# Altium PCB PT-PWR-EPS-002_v1.PcbDoc (part 2 of 3) (continued)
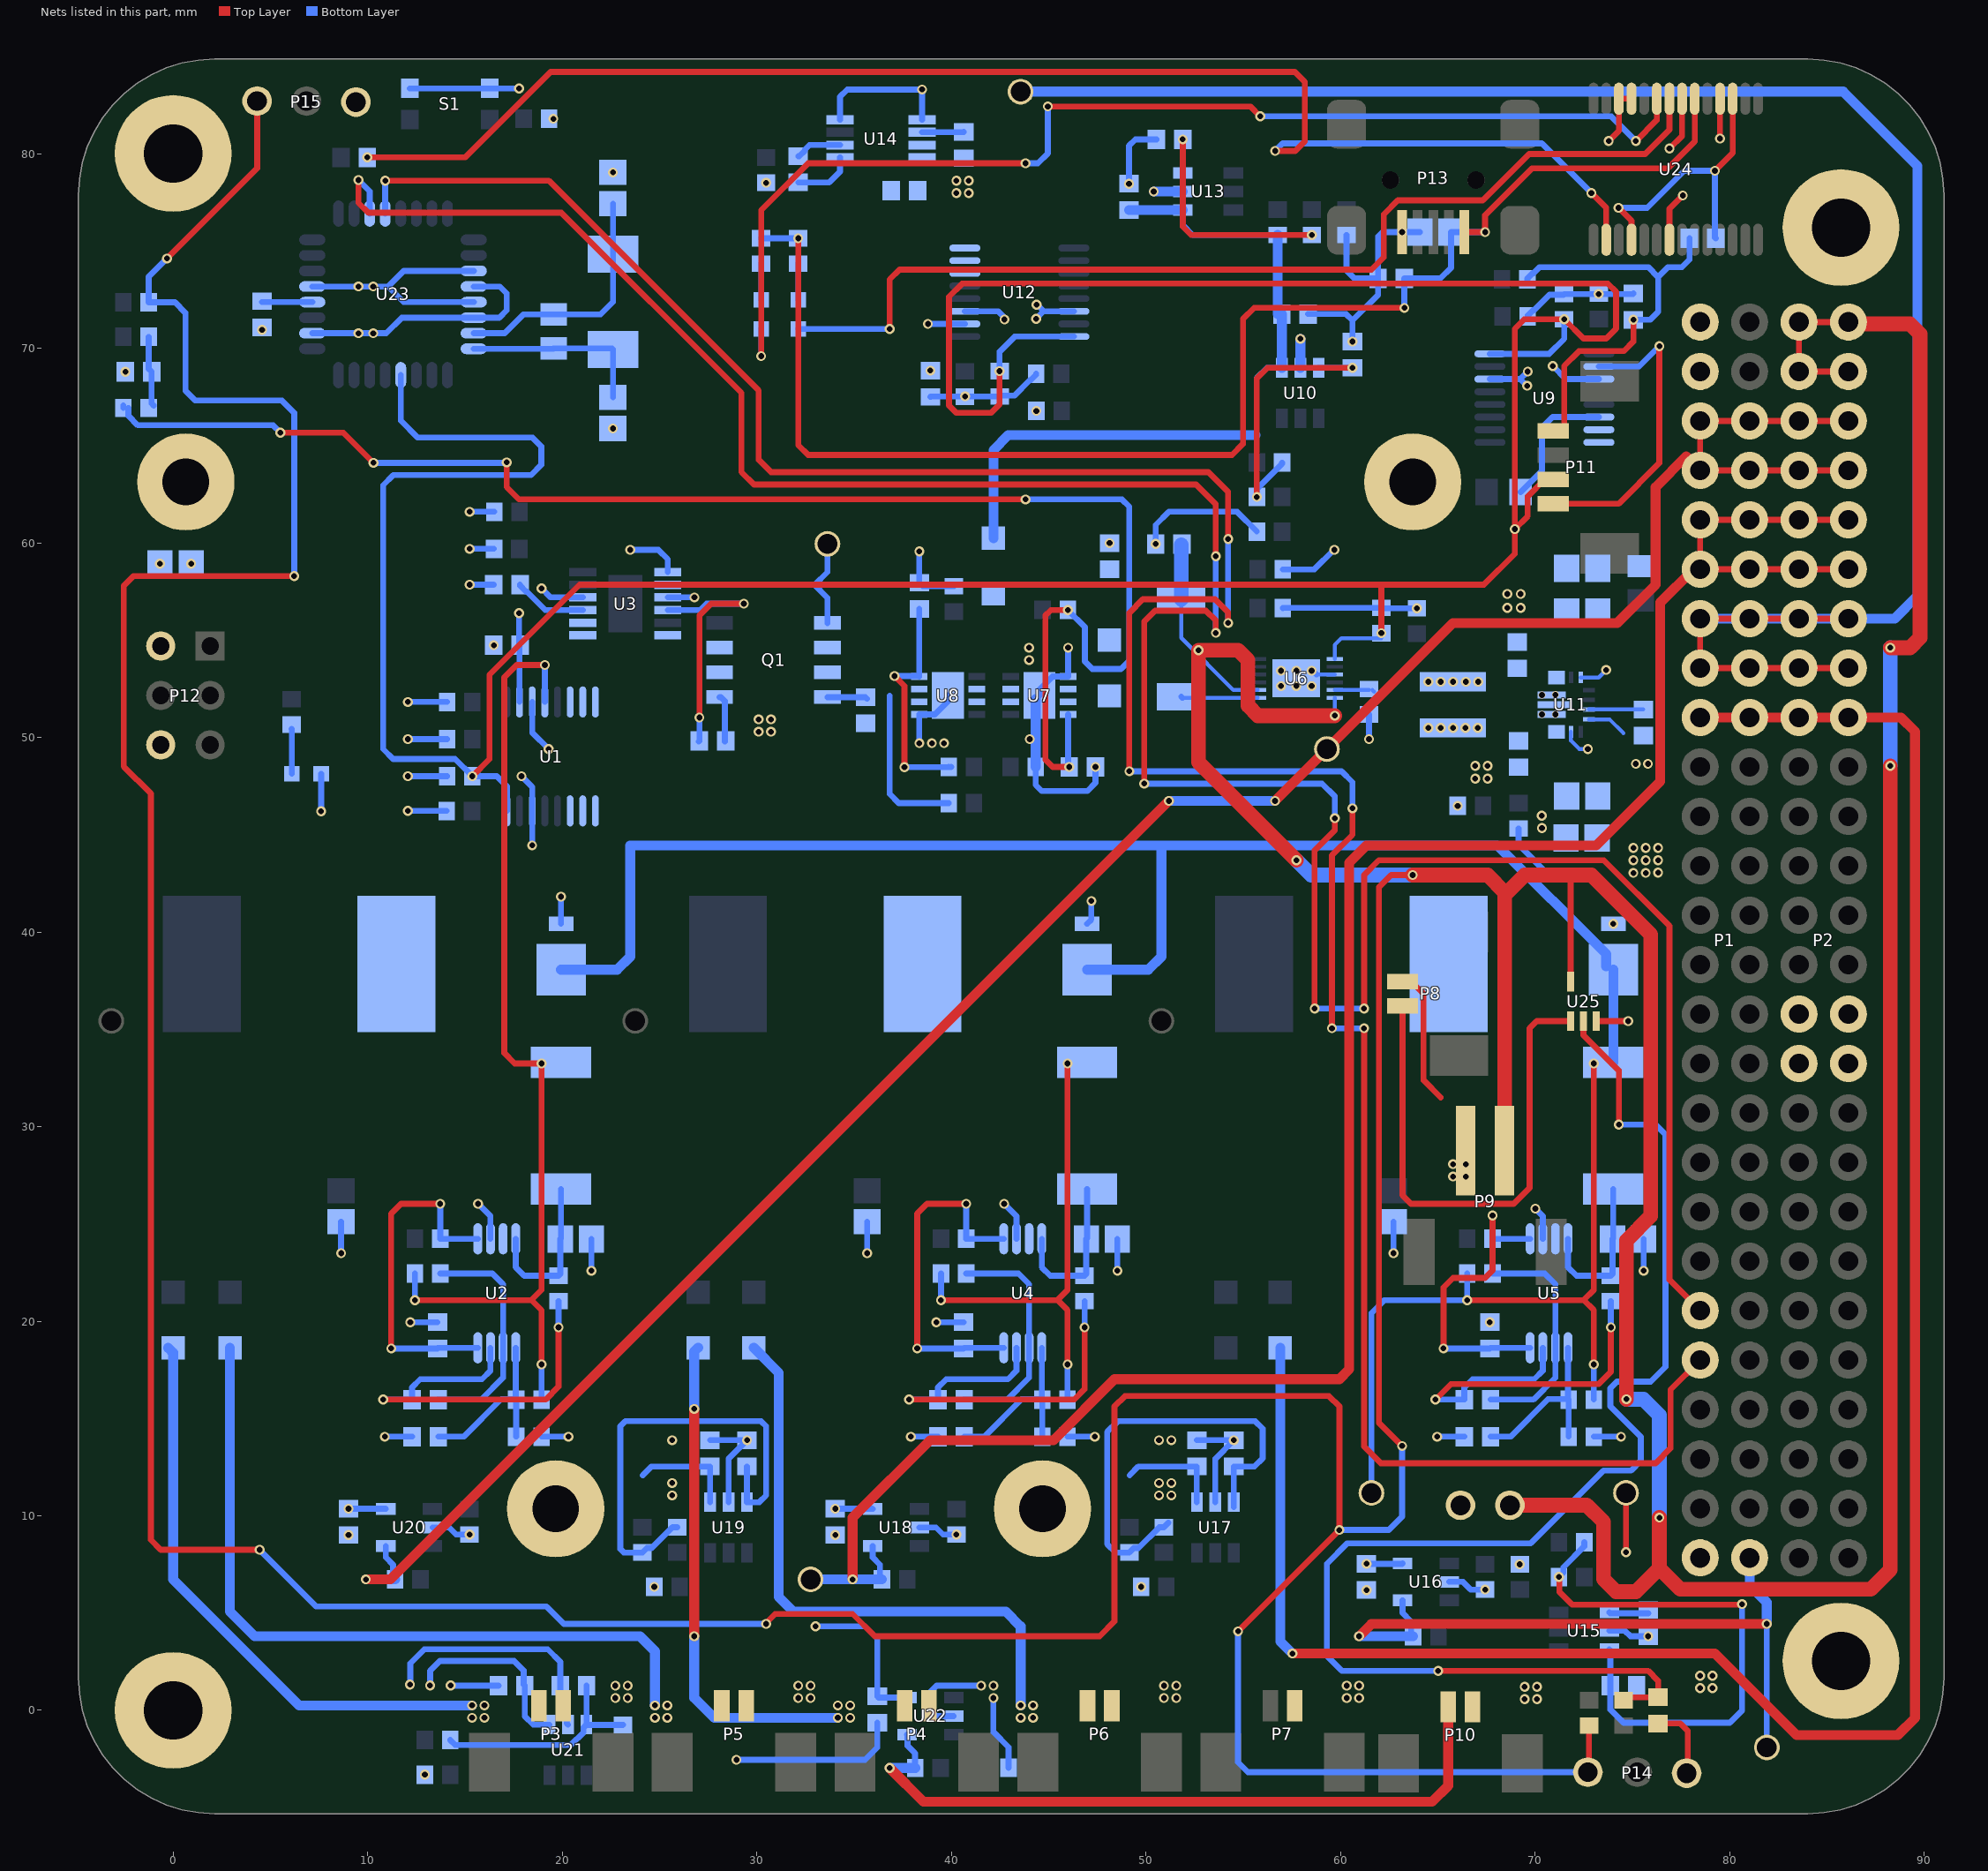
[diagram p4: the nets of this part, all layers, seen from the top]
## Part data (continued)
U25: "IC GATE AND 1CH 2-INP SOT-353", Case/Package=SOT-353, High Level Output Current=4mA, Manufacturer=Diodes, Max Operating Temperature=125°C, Max Supply Voltage=3.6V, Min Operating Temperature=-40°C, Min Supply Voltage=800mV, Package Quantity=3000, Quiescent Current=500nA, Supplier Part Number 1=74AUP1G08SE-7DICT-ND, ComponentLink1Description=https://datasheet.ciiva.com/12255/74aup1g08-219333-12255218.pdf?src-supplier=Mouser, ComponentLink1URL=https://datasheet.ciiva.com/12255/74aup1g08-219333-12255218.pdf?src-supplier=Mouser, ComponentLink2Description=https://datasheet.ciiva.com/15219/getdatasheetpartid-661118-15219698.pdf?src-supplier=Verical, ComponentLink2URL=https://datasheet.ciiva.com/15219/getdatasheetpartid-661118-15219698.pdf?src-supplier=Verical, ComponentLink3Description=https://datasheet.ciiva.com/6620/74aup1g08-6620571.pdf?src-supplier=Digi-Key, ComponentLink3URL=https://datasheet.ciiva.com/6620/74aup1g08-6620571.pdf?src-supplier=Digi-Key, ComponentLink4Description=https://datasheet.ciiva.com/6620/74aup1g08-6620573.pdf?src-supplier=Digi-Key, ComponentLink4URL=https://datasheet.ciiva.com/6620/74aup1g08-6620573.pdf?src-supplier=Digi-Key, ComponentLink5Description=https://datasheet.ciiva.com/6620/74aup1g08-6620575.pdf?src-supplier=Digi-Key, ComponentLink5URL=https://datasheet.ciiva.com/6620/74aup1g08-6620575.pdf?src-supplier=Digi-Key, Contact Plating=Tin, Lead Free="Lead Free", Logic Function=AND, Low Level Output Current=4mA, Manufacturer Part Number=74AUP1G08SE-7, Mount="Surface Mount", Number of Circuits=1, Number of Elements=1, Number of Inputs=2, Number of Outputs=1, Number of Pins=5, Packaging="Tape and Reel", Pricing 1="1 = 0.43000, 10 = 0.37100, 100 = 0.27690, 500 = 0.21754, 1000 = 0.16810 (USD)", Propagation Delay=6.2ns, Radiation Hardening=No, REACH SVHC="No SVHC", RoHS=Yes, Stock 1=896, Supplier 1=Digi-Key
Y1: "CRYSTAL 8.0000MHZ 18PF SMD", Case/Package=CSMD, ESR (Equivalent Series Resistance)=100R, Frequency=8MHz, Frequency Stability=30ppm, Frequency Tolerance=20ppm, Load Capacitance=18pF, Manufacturer=Abracon, Manufacturer Part Number=ABM7-8.000MHZ-D2Y-T, Max Operating Temperature=85°C, Min Operating Temperature=-40°C, Package Quantity=1000, Series Resistance=80R, Supplier Part Number 1=535-9831-6-ND, Composition=Ceramic, Depth=3.5mm, Height=0.055inch, Lead Free="Lead Free", Length=6mm, Mount="Surface Mount", Number of Pins=2, Packaging="Tape and Reel", Pricing 1="1=0.72, 10=0.633, 50=0.5912, 100=0.5225, 500=0.495 (USD)", Radiation Hardening=No, REACH SVHC=Yes, Stock 1=151370, Supplier 1=Digi-Key, Termination=SMD/SMT, Tolerance=20ppm, Width=0.138inch

## Free pads (board coordinates)
  round 6 hole 3: 1(0,80.01) 1(0,0) 1(85.725,76.2) 1(85.725,2.54)
  round 5 hole 2.4: 1(0.655,63.13) 1(19.665,10.36) 1(44.685,10.36) 1(63.715,63.13)

## Via types
v1: diameter 0.508, hole 0.3, Top Layer to Bottom Layer, tented both sides, 379 vias
v2: diameter 0.35, hole 0.3, Top Layer to Bottom Layer, tented both sides, 4 vias

## Nets (pads, with @x,y where several pads share a name; then routed paths per layer and width w, separated by ;. In a path a pad name is that pad's centre, name@x,y a point inside that pad or via, vN(x,y) a via of type N, cw(c..) or ccw(c..) an arc to the next point about the centre after c; other vN are vias at no path point)
3V3_EPS: C1.1 C25.1 C31.2 C32.2 C33.2 C35.1 C41.2 C42.2 C44.2 C45.2 C47.2 C48.2 C50.2 C51.2 C53.2 P1.51 P11.1 P12.2 R1.2 R2.2 R25.2 R26.2 R27.2 R36.2 R37.2 R38.2 R45.2 R47.2 R48.2 R49.2 R75.2 TB1.1 U1.10 U9.10 U11.7 U11.8 U12.10 U15.1 U16.5 U17.1 U18.5 U19.1 U20.5 U21.1 U22.5 U23.4 U23.6 U23.18 | length 103
  Top Layer w0.305: P11.1@70.94,62.006 74.298,62.006 76.393,64.101 v1(76.393,70.104) ; v1(74.676,8.128) TB1.1@74.676,11.176
  Bottom Layer w0.305: U23.18@7.153,70.771 v1(9.525,70.771) v1(10.287,70.771) 10.954,70.771 11.754,71.571 U23.6@15.453,71.571 16.764,71.571 17.145,71.952 17.145,72.811 16.785,73.171 U23.4@15.453,73.171 ; v1(9.016,10.363) 10.919,10.363 U20.5@10.934,10.348 ; v1(12.065,48.006) R1.2@14.082,48.006 ; v1@12.065,51.816 v1(12.071,51.822) R2.2@14.082,51.822 ; v1@13.194,1.27 v1(13.208,1.284) 13.208,2.032 13.716,2.54 17.526,2.54 18.017,2.049 18.017,1.327 C50.2@18.074,1.27 18.074,-0.294 18.512,-0.732 U21.1@19.345,-0.732 ; v1(17.78,56.388) 17.78,54.788 C1.1@17.831,54.737 17.806,54.712 U1.10@17.806,51.822 ; 24.144,12.08 24.597,12.533 C47.2@27.599,12.533 U19.1@27.599,10.698 ; v1(33.02,4.318) 35.306,4.318 ; v1(34.036,10.363) 35.939,10.363 U18.5@35.954,10.348 ; 35.307,4.319 35.559,4.319 36.195,3.683 C51.2@36.195,0.721 36.26,0.656 U22.5@37.724,0.656 ; v1(38.797,71.249) U12.10@40.696,71.249 ; C35.1@38.924,67.5 38.949,67.525 v1(40.711,67.525) R48.2@42.48,67.525 42.517,67.562 43.234,67.562 44.032,68.36 44.082,68.36 44.355,68.633 R47.2@44.355,68.683 ; 49.164,12.08 49.617,12.533 C44.2@52.619,12.533 U17.1@52.619,10.698 ; R25.2@57.038,56.642 57.053,56.657 62.088,56.657 62.114,56.631 v1(63.929,56.631) ; v1(61.341,7.533) 63.168,7.533 U16.5@63.189,7.554 ; R45.2@69.151,45.324 69.151,44.487 70.84,42.799 72.771,42.799 ; R36.2@69.626,71.628 69.626,71.678 69.899,71.951 69.949,71.951 70.747,72.749 71.464,72.749 R37.2@71.501,72.786 v1(73.27,72.786) 75.032,72.786 C25.1@75.057,72.811 ; U9.10@73.285,69.062 75.351,69.062 v1(76.393,70.104) ; U15.1@73.817,5.039 73.863,4.993 C41.2@75.819,4.993
  other v1: 25.653,11.049 50.673,11.049 51.308,11.049 25.653,11.684 50.673,11.684 51.308,11.684 75.057,43.037 75.692,43.037 76.327,43.053 75.057,43.688 75.692,43.688 76.327,43.688 75.057,44.323 75.692,44.323 76.327,44.323 -0.673,58.928 19.544,81.788
4V2_MPB: C8.2 C26.2 C36.2 D11.2 Q1.D R29.2 R50.1 TP3.1 U3.8 U8.2 U8.3 U10.1 U13.1 | length 57.8
  Bottom Layer w0.305: U3.8@25.425,57.846 32.959,57.846 ; Q1.D@33.631,52.07 C8.2@35.585,52.07 C8.2@35.672,51.983 ; Q1.D@33.631,55.88 33.631,57.174 32.959,57.846 ; TP3.1@33.631,59.944 33.631,58.496 32.981,57.846 32.959,57.846 ; 36.83,52.133 36.828,52.131 36.828,47.094 37.298,46.624 R29.2@39.863,46.624 ; U13.1@51.895,77.104 51.895,76.335 52.411,75.819 R50.1@56.769,75.819 ; 55.703,68.478 56.219,68.994 U10.1@56.988,68.994
  Bottom Layer w0.508: D11.2@42.164,60.231 42.164,64.77 42.926,65.532 55.626,65.532 ; C36.2@49.134,77.104 U13.1@51.895,77.104 ; C26.2@56.769,71.755 R50.1@56.769,75.819 ; U10.1@56.988,68.994 C26.2@56.988,71.755
4V2_MPPT: C7.2 C10.2 Q1.S U1.14 U1.15 U1.16 U3.1 U3.2 U3.3 U3.12 | length 6.2
  Bottom Layer w0.305: C10.2@17.831,57.846 17.831,57.796 18.129,57.498 18.179,57.498 19.131,56.545 U3.3@21.056,56.545 ; Q1.S@28.091,52.07 28.158,52.07 28.361,51.867 C7.2@28.361,49.784
4V2_X: D7.K D8.K D9.K R3.2 R6.2 R7.2 R11.2 R14.2 R15.2 R19.2 R22.2 R23.2 TP2.1 U1.1 U1.2 U1.3 U1.12 | length 192.6
  Top Layer w0.305: v1(12.431,21.082) 18.415,21.082 ; v1(18.938,17.78) 18.938,20.559 18.415,21.082 ; v1(19.106,53.721) 17.653,53.721 17.018,53.086 17.018,33.782 17.557,33.243 v1(18.938,33.243) 18.938,21.605 18.415,21.082 ; v1(39.467,21.082) 45.451,21.082 ; v1(45.974,17.78) 45.974,20.559 45.451,21.082 ; v1(45.974,33.243) 45.974,21.605 45.451,21.082 ; v1(66.518,21.082) 72.502,21.082 ; v1(73.025,17.78) 73.025,20.559 72.502,21.082 ; v1(73.025,33.243) 73.025,21.605 72.502,21.082
  Bottom Layer w0.305: v1(12.431,21.082) R7.2@12.431,22.448 ; R6.2@18.938,15.971 v1(18.938,17.78) ; U1.12@19.106,51.822 v1(19.106,53.721) ; v1(39.467,21.082) R15.2@39.467,22.448 ; R14.2@45.974,15.971 v1(45.974,17.78) ; TP2.1@61.595,11.176 61.595,20.416 62.261,21.082 v1(66.518,21.082) R23.2@66.518,22.448 ; R22.2@73.025,15.971 v1(73.025,17.78)
  Bottom Layer w0.508: D7.K@19.939,38.066 22.826,38.066 23.495,38.735 23.495,44.45 50.8,44.45 ; D8.K@46.975,38.066 50.131,38.066 50.8,38.735 50.8,44.45 ; D9.K@73.66,38.227 73.66,38.862 68.072,44.45 50.8,44.45 ; R19.2@74.026,33.297 D9.K@74.026,38.066
5V_USB: C56.1 C57.2 P13.1 R76.2 R77.2 U24.20 | length 75
  Top Layer w0.305: v1(32.131,75.647) 32.131,65.024 32.639,64.516 54.429,64.516 54.991,65.078 54.991,71.501 55.562,72.072 v1(63.286,72.072) ; P13.1@66.37,75.968 v1(67.437,75.968) 67.437,76.835 69.85,79.248 76.835,79.248 78.21,80.623 U24.20@78.21,82.821
  Bottom Layer w0.305: R76.2@30.226,75.647 v1(32.131,75.647) ; v1(63.286,72.072) C56.1@63.286,73.583 65.132,73.583 65.682,74.133 C57.2@65.682,75.968 v1(67.437,75.968)
DTR: C55.1 U24.2 | length 75.2
  Top Layer w0.305: v1(9.978,79.807) 15.008,79.807 19.402,84.201 57.658,84.201 58.166,83.693 58.166,80.623 57.68,80.137 v1(56.642,80.137) ; v1(72.898,77.978) 73.66,77.216 U24.2@73.66,75.571
  Bottom Layer w0.305: v1(56.642,80.137) 57.029,80.524 70.352,80.524 v1(72.898,77.978)
GND: C1.2 C2.2 C4.1 C5.1 C6.1 C8.1 C9.2 C10.1 C12.1 C13.1 C14.1 C15.2 C17.1 C18.1 C19.1 C20.1 C21.1 C22.1 C23.1 C24.1 C25.2 C26.1 C27.1 C28.1 C29.1 C30.1 C31.1 C32.1 C33.1 C34.1 C35.2 C36.1 C37.1 C38.1 C39.1 C41.1 C42.1 C43.1 C44.1 C45.1 C46.1 C47.1 C48.1 C49.1 C50.1 C51.1 C52.1 C53.1 C54.1 C56.2 C57.1 C58.2 C59.2 C60.2 C61.1 C62.1 D7.A D8.A D9.A D14.2 P2.29 P2.30 P2.31 P2.32 P3.2 P4.2 P5.2 P6.2 P7.2 P8.2 P9.2 P10.2 P11.4 P12.6 P13.5 P14.3 P15.3 P16.2 pad.1 R8.1 R9.1 R10.1 R16.1 R17.1 R18.1 R24.1 R30.1 R31.1 R32.1 R40.1 R41.1 R46.1 R52.1 R53.1 R54.1 R57.1 R58.1 R62.1 R63.1 R67.1 R68.1 R72.1 R73.1 S1.2 U1.6 U1.11 U2.2 U3.4 U3.7 U3.9 U4.2 U5.2 U6.3 U6.13 U7.1 U7.9 U8.1 U8.9 U9.6 U9.11 U10.2 U11.4 U11.6 U11.10 U11.15 U12.6 U12.11 U13.2 U14.1 U14.4 U14.8 U15.2 U16.2 U17.2 U18.2 U19.2 U20.2 U21.2 U22.2 U23.3 U23.5 U23.21 U24.7 U24.18 U24.21 U24.25 U24.26 U25.3 | length 244
  Top Layer w0.305: P8.2@63.193,37.455 63.441,37.207 63.885,37.207 64.272,36.82 64.272,32.375 65.151,31.496 ; P11.4@70.94,65.756 71.501,65.756 71.501,69.088 72.263,69.85 74.563,69.85 75.057,70.344 v1(75.057,71.461) ; U25.3@73.152,35.423 v1(74.793,35.423) ; v1(73.787,80.645) 74.31,81.168 U24.26@74.31,82.821 U24.25@74.96,82.821 ; C61.1@76.327,-0.675 77.47,-0.675 77.856,-1.061 P14.3@77.856,-3.125 ; U24.7@76.91,75.571 76.91,77.164 v1(77.597,77.851) ; v1(76.91,80.264) 77.56,80.914 U24.21@77.56,82.821 ; v1(79.51,80.772) U24.18@79.51,82.821
  Bottom Layer w0.203: U6.13@58.77,53.232 U6.3@59.715,53.232 ; U11.6@71.851,50.281 71.851,49.836 72.284,49.403 v1(72.716,49.403) ; U11.15@72.351,53.081 73.274,53.081 v1(73.66,53.467) ; U11.4@72.776,50.931 73.831,50.931 74.549,50.213
  Bottom Layer w0.305: U23.21@7.153,73.171 v1(9.525,73.171) v1(10.287,73.171) 11.054,73.171 ; v1(7.608,46.207) D14.2@7.608,48.133 ; v1(8.636,23.495) C4.1@8.636,25.108 ; v1(10.882,14.066) C6.1@12.279,14.066 ; v1(12.065,46.222) R9.1@14.067,46.222 ; v1(12.065,49.911) R8.1@14.082,49.911 ; v1(12.174,1.327) 12.192,1.345 12.192,2.413 12.918,3.139 19.254,3.139 19.898,2.495 C52.1@19.898,1.27 19.901,1.267 19.901,0.381 20.236,0.046 20.236,-0.673 U21.2@20.295,-0.732 ; S1.2@12.174,83.35 v1(17.78,83.35) ; v1(12.192,19.948) C5.1@13.589,19.948 ; U20.2@13.334,9.398 14.193,9.398 14.553,9.038 v1(15.239,9.038) ; v1(14.269,1.284) 14.283,1.27 C50.1@16.724,1.27 ; v1(15.24,57.846) C10.1@16.481,57.846 ; v1(15.24,59.69) R17.1@16.495,59.69 ; v1(15.24,61.595) R16.1@16.506,61.595 ; U23.5@15.453,72.371 11.854,72.371 11.054,73.171 ; U23.3@15.453,73.971 11.854,73.971 11.054,73.171 ; v1(15.677,26.035) 16.312,25.4 U2.2@16.312,24.232 ; v1(17.907,48.006) 18.456,47.457 U1.6@18.456,46.222 v1(18.456,44.45) ; U1.11@18.456,51.822 18.456,50.251 v1(19.304,49.403) ; R10.1@18.938,14.066 v1(20.32,14.066) ; v1(18.938,57.658) 19.4,57.196 U3.4@21.056,57.196 ; D7.A@19.939,40.421 v1(19.939,41.818) ; v1@21.463,22.551 v1(21.501,22.589) C2.2@21.501,24.226 ; C60.2@22.555,65.824 v1(22.606,65.875) ; v1(23.495,59.64) 24.942,59.64 25.425,59.157 U3.7@25.425,58.496 ; U3.9@25.425,57.196 v1(26.797,57.196) ; C47.1@27.599,13.883 v1(29.499,13.883) 28.549,12.933 U19.2@28.549,10.698 ; v1(28.956,-2.54) 35.56,-2.54 36.195,-1.905 C51.1@36.195,-0.629 ; U14.8@34.279,81.737 34.279,82.92 34.653,83.294 v1(38.495,83.294) U14.1@38.495,81.737 ; v1(35.672,23.495) C12.1@35.672,25.108 ; v1(37.918,14.066) C14.1@39.315,14.066 ; U18.2@38.354,9.398 39.213,9.398 39.573,9.038 v1(40.259,9.038) ; v1(38.354,49.702) U8.1@38.354,51.181 39.156,51.181 39.829,51.854 U8.9@39.829,52.156 ; v1(38.354,59.563) C24.1@38.354,57.952 38.539,57.767 R32.1@40.132,57.767 ; C35.2@38.9,68.874 v1(38.924,68.85) ; v1(39.228,19.948) C13.1@40.625,19.948 ; U22.2@40.124,-0.294 39.219,-0.294 38.862,0.063 38.862,0.889 39.243,1.27 v1(41.529,1.27) ; U12.11@40.696,71.899 42.394,71.899 42.734,71.559 v1(42.734,71.477) ; v1(42.164,0.635) 42.164,-1.117 42.941,-1.894 R73.1@42.941,-2.946 ; v1(42.713,26.035) 43.348,25.4 U4.2@43.348,24.232 ; R31.1@44.338,48.483 44.338,47.561 44.655,47.244 46.99,47.244 47.411,47.665 v1(47.411,48.483) ; U7.9@44.338,51.966 U7.9@44.528,52.156 44.528,52.458 45.201,53.131 U7.1@46.003,53.131 v1(46.003,54.61) ; v1(44.355,71.508) 44.746,71.899 ; v1(44.385,72.239) 44.406,72.239 44.746,71.899 ; R18.1@45.974,14.066 v1(47.371,14.066) ; U12.6@46.296,71.899 44.746,71.899 ; D8.A@46.975,40.421 47.2,40.645 v1(47.2,41.593) ; v1@48.499,22.551 v1(48.537,22.589) C9.2@48.537,24.226 ; v1(49.134,78.454) 49.134,80.406 49.461,80.733 C37.1@50.545,80.733 ; C22.1@50.426,59.984 50.466,59.944 v1(50.506,59.944) 50.506,60.92 51.181,61.595 54.687,61.595 R40.1@55.703,60.579 ; C44.1@52.619,13.883 v1(54.519,13.883) 53.569,12.933 U17.2@53.569,10.698 ; R30.1@57.038,58.634 58.659,58.634 59.665,59.64 v1(59.69,59.64) ; C26.1@58.338,71.755 60.29,71.755 60.617,71.428 ; U6.13@58.521,53.426 58.576,53.426 U6.13@58.77,53.232 ; R52.1@60.31,75.819 60.31,73.986 60.713,73.583 C56.2@61.936,73.583 ; v1(60.617,70.344) 60.617,71.428 ; v1(61.468,49.911) C20.1@61.468,51.181 ; v1(62.723,23.495) C17.1@62.723,25.108 ; C57.1@64.082,75.968 v1(63.17,75.968) 62.158,75.968 61.936,75.746 C56.2@61.936,73.583 ; v1(64.969,14.066) C19.1@66.366,14.066 ; U16.2@65.589,6.604 66.294,6.604 66.69,6.208 v1(67.437,6.208) ; U9.6@67.685,68.412 69.235,68.412 ; v1(69.596,68.072) 69.575,68.072 69.235,68.412 ; R41.1@69.611,73.533 69.611,73.583 69.884,73.856 69.934,73.856 70.246,74.168 75.819,74.168 76.327,73.66 ; v1(69.626,68.803) 69.235,68.412 ; v1(70.018,25.781) 70.399,25.4 U5.2@70.399,24.232 ; v1(70.911,69.088) 71.587,68.412 U9.11@73.285,68.412 ; R24.1@73.025,14.066 v1(74.422,14.066) ; U15.2@73.817,4.089 74.628,4.089 74.907,3.81 v1(75.819,3.81) ; v1(75.057,71.461) 75.92,71.461 76.327,71.868 76.327,73.66 ; v1@75.55,22.551 v1(75.588,22.589) C15.2@75.588,24.226 ; C59.2@77.938,75.647 77.938,74.549 77.557,74.168 76.835,74.168 76.327,73.66 ; 60.617,71.428 61.936,72.747 C56.2@61.936,73.583
  Bottom Layer w0.508: R31.1@44.338,48.483 U7.9@44.338,51.966 ; v1(50.404,78.054) U13.2@51.895,78.054 ; U10.2@57.938,68.994 v1(57.938,70.485)
  other v1: 12.939,-3.302 69.469,0.582 70.104,0.582 22.733,0.635 23.368,0.635 32.131,0.635 32.766,0.635 50.927,0.635 51.562,0.635 60.325,0.635 60.96,0.635 78.486,1.143 79.121,1.143 69.469,1.217 70.104,1.217 22.733,1.27 23.368,1.27 32.131,1.27 32.766,1.27 42.164,1.27 50.927,1.27 51.562,1.27 60.325,1.27 60.96,1.27 78.486,1.778 79.121,1.778 61.341,6.183 24.734,6.35 49.754,6.35 69.215,7.508 9.016,9.013 34.036,9.013 25.653,13.883 50.673,13.883 51.308,13.883 67.676,19.948 65.786,27.432 66.448,27.432 65.786,28.067 66.448,28.067 74.026,40.421 70.358,45.339 70.35,45.974 66.025,46.482 66.929,47.879 67.564,47.879 66.929,48.541 67.564,48.541 75.184,48.641 75.804,48.641 38.999,49.702 39.624,49.702 44.032,49.911 30.099,50.292 30.734,50.292 30.099,50.927 30.734,50.927 43.998,53.975 43.998,54.61 16.481,54.737 68.58,56.657 69.263,56.657 68.58,57.371 69.263,57.371 0.927,58.928 48.133,59.984 44.37,66.778 -2.453,68.789 4.572,70.941 40.259,77.978 40.894,77.978 30.48,78.504 40.259,78.613 40.894,78.613 22.606,79.032
NetC2_1: C2.1 R3.1 R5.2 U2.4 | length 8.4
  Bottom Layer w0.305: U2.4@17.612,24.232 17.612,22.774 18.05,22.336 R5.2@19.812,22.336 19.901,22.425 C2.1@19.901,24.226 19.939,24.264 R3.1@19.939,26.797
NetC3_1: C3.1 R7.1 U2.6 | length 12.1
  Bottom Layer w0.305: C3.1@13.629,15.971 15.831,15.971 16.962,17.102 U2.6@16.962,18.632 16.962,21.9 16.414,22.448 R7.1@13.731,22.448
NetC3_2: C3.2 R5.1 U2.7 | length 21.4
  Top Layer w0.305: v1(10.795,15.971) 19.146,15.971 19.812,16.637 v1(19.812,19.685)
  Bottom Layer w0.305: v1(10.795,15.971) C3.2@12.279,15.971 12.279,16.597 12.7,17.018 15.875,17.018 16.312,17.455 U2.7@16.312,18.632 ; v1(19.812,19.685) R5.1@19.812,21.036
NetC5_2: C5.2 R4.2 U2.1 U2.8 | length 17.9
  Top Layer w0.305: v1(11.21,18.598) 11.21,25.527 11.718,26.035 v1(13.731,26.035)
  Bottom Layer w0.305: v1(11.21,18.598) C5.2@13.589,18.598 13.623,18.632 U2.8@15.662,18.632 ; v1(13.731,26.035) R4.2@13.731,24.232 U2.1@15.662,24.232
NetC6_2: C6.2 R6.1 R10.2 U2.5 | length 9.4
  Bottom Layer w0.305: C6.2@13.629,14.066 14.94,14.066 16.871,15.997 R6.1@17.612,15.997 ; U2.5@17.612,18.632 R6.1@17.612,15.997 ; R10.2@17.638,14.066 R6.1@17.638,15.971 R6.1@17.612,15.997
NetC7_1: C7.1 U3.10 | length 13.1
  Top Layer w0.305: v1@27.011,51.038 27.026,51.023 v1(27.051,51.023) 27.051,56.261 27.661,56.871 v1(29.337,56.871)
  Bottom Layer w0.305: U3.10@25.425,56.545 27.093,56.545 27.418,56.871 v1(29.337,56.871) ; C7.1@27.011,49.784 C7.1@27.051,49.824 v1(27.051,51.023)
NetC9_1: C9.1 R11.1 R13.2 U4.4 | length 8.4
  Bottom Layer w0.305: U4.4@44.648,24.232 44.648,22.774 45.086,22.336 R13.2@46.848,22.336 46.937,22.425 C9.1@46.937,24.226 46.975,24.264 R11.1@46.975,26.797
NetC11_1: C11.1 R15.1 U4.6 | length 12.1
  Bottom Layer w0.305: C11.1@40.665,15.971 42.867,15.971 43.998,17.102 U4.6@43.998,18.632 43.998,21.9 43.45,22.448 R15.1@40.767,22.448
NetC11_2: C11.2 R13.1 U4.7 | length 21.4
  Top Layer w0.305: v1(37.831,15.971) 46.309,15.971 46.848,16.51 v1(46.848,19.685)
  Bottom Layer w0.305: v1(37.831,15.971) C11.2@39.315,15.971 39.315,16.597 39.736,17.018 42.911,17.018 43.348,17.455 U4.7@43.348,18.632 ; v1(46.848,19.685) R13.1@46.848,21.036
NetC13_2: C13.2 R12.2 U4.1 U4.8 | length 17.9
  Top Layer w0.305: v1(38.246,18.598) 38.246,25.527 38.754,26.035 v1(40.767,26.035)
  Bottom Layer w0.305: v1(38.246,18.598) C13.2@40.625,18.598 40.659,18.632 U4.8@42.698,18.632 ; v1(40.767,26.035) R12.2@40.767,24.232 U4.1@42.698,24.232
NetC14_2: C14.2 R14.1 R18.2 U4.5 | length 9.4
  Bottom Layer w0.305: C14.2@40.665,14.066 41.693,14.066 43.624,15.997 R14.1@44.648,15.997 ; U4.5@44.648,18.632 R14.1@44.648,15.997 ; R18.2@44.674,14.066 R14.1@44.674,15.971 R14.1@44.648,15.997
NetC15_1: C15.1 R19.1 R21.2 U5.4 | length 8.4
  Bottom Layer w0.305: U5.4@71.699,24.232 71.699,22.774 72.137,22.336 R21.2@73.899,22.336 73.988,22.425 C15.1@73.988,24.226 74.026,24.264 R19.1@74.026,26.797
NetC16_1: C16.1 R23.1 U5.6 | length 12.1
  Bottom Layer w0.305: C16.1@67.716,15.971 69.918,15.971 71.049,17.102 U5.6@71.049,18.632 71.049,21.9 70.501,22.448 R23.1@67.818,22.448
NetC16_2: C16.2 R21.1 U5.7 | length 20.9
  Top Layer w0.305: v1(64.882,15.971) 65.675,16.764 73.268,16.764 73.899,17.395 v1(73.899,19.685)
  Bottom Layer w0.305: v1(64.882,15.971) C16.2@66.366,15.971 66.366,16.597 66.787,17.018 69.962,17.018 70.399,17.455 U5.7@70.399,18.632 ; v1(73.899,19.685) R21.1@73.899,21.036
NetC18_2: C18.2 R20.2 U5.1 U5.8 | length 16.4
  Top Layer w0.305: v1(65.297,18.598) 65.297,21.736 65.786,22.225 67.437,22.225 67.818,22.606 v1(67.818,25.428)
  Bottom Layer w0.305: v1(65.297,18.598) C18.2@67.676,18.598 67.71,18.632 U5.8@69.749,18.632 ; v1(67.818,25.428) R20.2@67.818,24.232 U5.1@69.749,24.232
NetC19_2: C19.2 R22.1 R24.2 U5.5 | length 9.4
  Bottom Layer w0.305: C19.2@67.716,14.066 68.744,14.066 70.675,15.997 R22.1@71.699,15.997 ; U5.5@71.699,18.632 R22.1@71.699,15.997 ; R24.2@71.725,14.066 R22.1@71.725,15.971 R22.1@71.699,15.997
NetC20_2: C20.2 U6.5 | length 1.9
  Bottom Layer w0.203: U6.5@59.715,52.432 C20.2@61.468,52.432 ; C20.2@61.644,52.432 C20.2@61.722,52.354
NetC21_2: C21.2 D10.1 D11.1 U7.6 U7.7 U8.6 U8.7
NetC22_2: C22.2 P2.1 P2.2 P2.3 P2.4 P9.1 P14.1 P15.1 P16.1 R28.2 R80.2 R82.2 U6.6 U6.8 U25.5 | length 453.9
  Top Layer w0.305: v1(-0.318,74.612) 4.318,79.248 P15.1@4.318,82.702 ; v1(4.445,8.255) -0.635,8.255 -1.143,8.763 -1.143,47.117 -2.54,48.514 -2.54,57.785 -2.032,58.293 v1(6.223,58.293) ; v1@30.46,4.465 30.948,4.953 34.925,4.953 36.068,3.81 47.625,3.81 48.387,4.572 48.387,15.621 48.92,16.154 59.411,16.154 59.944,15.621 v1(59.944,9.271) v1(54.737,4.064) ; v1(63.17,13.589) 61.976,14.783 61.976,42.291 62.611,42.926 v1(63.715,42.926) ; 71.755,42.926 71.831,42.85 U25.5@71.831,37.455 ; P14.1@72.716,-3.175 72.776,-3.115 R80.2@72.776,-0.777 ; P2.4@86.112,68.803 P2.3@83.572,68.803 P2.1@83.572,71.343 P2.2@86.112,71.343
  Top Layer w0.762: v1(57.734,43.688) 52.705,48.717 v1(52.705,54.483) 54.737,54.483 55.245,53.975 55.245,51.625 55.753,51.117 v1(59.715,51.117) ; v1(63.715,42.926) 67.564,42.926 68.437,42.053 68.437,41.894 ; P9.1@68.437,28.762 68.437,41.894 ; P16.1@68.707,10.541 72.659,10.541 73.522,9.678 73.522,6.742 74.168,6.096 75.19,6.096 76.393,7.3 ; v1(74.701,15.992) 74.701,24.155 75.946,25.4 75.946,39.878 72.898,42.926 71.755,42.926 69.469,42.926 68.437,41.894 ; v1(76.393,9.906) 76.393,7.3 ; P2.2@86.614,71.249 89.279,71.249 89.789,70.739 89.789,55.118 89.281,54.61 v1(88.265,54.61) ; v1(88.265,48.541) 88.265,7.239 87.249,6.223 77.47,6.223 76.393,7.3
  Bottom Layer w0.203: R28.2@51.816,57.095 51.816,55.118 54.502,52.432 U6.8@55.753,52.432 ; v1(59.715,51.117) U6.6@59.715,52.032
  Bottom Layer w0.305: v1(-0.318,74.612) -1.255,73.675 R82.2@-1.255,72.357 0.096,72.357 0.635,71.819 0.635,67.818 1.143,67.31 5.588,67.31 6.223,66.675 v1(6.223,58.293) ; v1(4.445,8.255) 7.366,5.334 19.192,5.334 20.081,4.445 v1(30.48,4.445) ; C22.2@51.816,59.904 C22.2@51.856,59.944 ; v1(54.737,4.064) 54.737,-2.667 55.245,-3.175 P14.1@72.716,-3.175 ; v1(59.944,9.271) 62.484,9.271 63.17,9.957 v1(63.17,13.589)
  Bottom Layer w0.762: R28.2@51.816,57.095 C22.2@51.816,59.904 ; v1(57.734,43.688) 58.496,42.926 v1(63.715,42.926) ; v1(74.701,15.992) 75.575,15.992 76.393,15.174 v1(76.393,9.906) ; v1(88.265,48.541) v1(88.265,54.61)
NetC23_2: C23.2 R33.1 R35.2 U7.4 | length 81
  Top Layer w0.305: v1(5.517,65.659) 8.748,65.659 v1(10.297,64.11) ; v1(17.145,64.135) 17.145,62.865 17.78,62.23 v1(43.815,62.23) ; v1(45.989,56.545) 45.115,56.545 44.831,56.261 44.831,48.864 45.212,48.483 v1(46.061,48.483)
  Bottom Layer w0.305: R35.2@-2.555,66.929 R35.2@-2.555,67.056 ; R35.2@-2.301,66.929 -2.301,66.525 -1.816,66.04 5.136,66.04 v1(5.517,65.659) ; v1(10.297,64.11) 17.12,64.11 v1(17.145,64.135) ; v1(43.815,62.23) 48.768,62.23 49.149,61.849 49.149,53.953 48.716,53.52 47.244,53.52 46.863,53.901 46.863,55.671 v1(45.989,56.545) ; U7.4@46.003,51.181 46.003,48.541 v1(46.061,48.483)
NetC24_2: C24.2 R34.1 U8.4 | length 12.1
  Top Layer w0.305: v1(37.084,53.154) 37.592,52.646 v1(37.592,48.468)
  Bottom Layer w0.305: v1(37.084,53.154) 38.331,53.154 U8.4@38.354,53.131 C24.2@38.354,56.602 ; v1(37.592,48.468) R34.1@39.878,48.468 ; R34.1@39.863,48.483 R34.1@39.878,48.468 ; R34.1@39.99,48.483 39.975,48.468 R34.1@39.878,48.468
NetC27_2: C27.2 R39.1 R42.2 U10.3 | length 15.3
  Top Layer w0.305: v1(55.703,62.357) 55.703,68.453 56.244,68.994 v1(60.617,68.994)
  Bottom Layer w0.305: v1(55.703,62.357) 55.703,62.77 57.003,64.07 R42.2@57.003,64.12 ; U10.3@58.888,68.994 v1(60.617,68.994)
NetC28_2: C28.2 C29.2 C30.2 R43.2 R44.2 U9.14 U9.15 U9.16 U11.12 U11.13 | length 6.9
  Bottom Layer w0.305: R43.2@69.263,62.611 70.358,63.706 70.358,65.913 70.907,66.462 U9.14@73.285,66.462
NetC34_2: C34.2 U11.3 | length 2.8
  Bottom Layer w0.203: U11.3@72.78,51.435 C34.2@75.565,51.435
NetC37_2: C37.2 R51.1 U13.3 | length 13
  Top Layer w0.305: v1(51.895,80.733) 51.895,76.248 52.324,75.819 v1(58.532,75.819)
  Bottom Layer w0.305: U13.3@51.895,79.004 v1(51.895,80.733)
NetC38_2: C38.2 P1.13 P1.14 P1.15 P1.16 P2.13 P2.14 P2.15 P2.16 TP6.1 U14.2 | length 101.4
  Top Layer w0.305: TP6.1@43.561,83.185 TP6.1@43.688,83.312 ; P2.16@86.112,53.563 P2.15@83.572,53.563 P1.16@81.032,53.563 P1.15@78.492,53.563 P1.13@78.492,56.103 P1.14@81.032,56.103 P2.13@83.572,56.103 P2.14@86.112,56.103
  Bottom Layer w0.305: U14.2@38.495,81.102 40.625,81.102 C38.2@40.64,81.117
  Bottom Layer w0.508: TP6.1@43.251,83.312 TP6.1@43.561,83.312 ; TP6.1@43.998,83.185 85.852,83.185 89.662,79.375 89.662,57.277 88.488,56.103 P2.14@86.112,56.103 P2.13@83.572,56.103 P1.14@81.032,56.103 P1.13@78.492,56.103
NetC39_2: C39.2 U12.14 U12.15 U12.16 U14.3
NetC40_1: C40.1 U14.5 | length 3.1
  Bottom Layer w0.305: C40.1@32.131,78.522 33.727,78.522 34.279,79.074 U14.5@34.279,79.807
NetC40_2: C40.2 U14.6 | length 2.4
  Bottom Layer w0.305: C40.2@32.131,79.872 32.181,79.872 32.479,80.17 32.479,80.22 32.701,80.442 U14.6@34.279,80.442
NetC43_2: C43.2 R56.1 R59.2 U15.3 | length 28.7
  Top Layer w0.305: v1@71.247,6.858 71.247,6.096 71.907,5.436 80.62,5.436 v1(80.645,5.461)
  Bottom Layer w0.305: v1(71.232,6.858) 71.461,7.087 71.461,7.357 72.532,8.428 R56.1@72.532,8.636 ; U15.3@73.817,3.139 73.874,3.082 C43.2@73.874,1.27 73.874,0.04 74.549,-0.635 80.01,-0.635 80.645,0 v1(80.645,5.461)
NetC46_2: C46.2 R61.1 R64.2 U17.3 | length 23.4
  Bottom Layer w0.305: R61.1@51.166,9.652 R61.1@50.927,9.413 50.688,9.413 49.617,8.342 49.378,8.342 R64.2@49.149,8.113 48.448,8.113 48.006,8.555 48.006,14.303 48.562,14.859 55.626,14.859 56.007,14.478 56.007,12.954 55.586,12.533 C46.2@54.519,12.533 U17.3@54.519,10.698 U17.3@54.519,10.45
NetC49_2: C49.2 R66.1 R69.2 U19.3 | length 24.1
  Bottom Layer w0.305: R66.1@25.907,9.413 25.668,9.413 24.597,8.342 24.358,8.342 R69.2@24.129,8.113 23.166,8.113 22.987,8.292 22.987,14.605 23.241,14.859 30.226,14.859 30.48,14.605 30.48,11.049 30.129,10.698 U19.3@29.499,10.698 C49.2@29.499,12.533
NetC52_2: C52.2 R71.1 R74.2 U21.3 | length 11.6
  Bottom Layer w0.305: R74.2@14.239,-1.524 14.493,-1.778 20.447,-1.778 21.097,-1.128 21.097,-0.88 U21.3@21.245,-0.732 ; C52.2@21.248,1.27 21.245,1.267 U21.3@21.245,-0.732 ; R71.1@23.125,-0.736 R71.1@23.114,-0.747 21.26,-0.747 U21.3@21.245,-0.732
NetC54_2: C54.2 U23.20 | length 2.6
  Bottom Layer w0.305: C54.2@4.572,72.371 U23.20@7.153,72.371
NetC58_1: C58.1 R79.1 U23.7 Y1.2 | length 12.9
  Bottom Layer w0.305: U23.7@15.453,70.771 17.048,70.771 18.018,71.741 R79.1@19.558,71.741 21.976,71.741 22.606,72.371 Y1.2@22.606,74.84 C58.1@22.606,77.432
NetC59_1: C59.1 U24.4 U24.17 | length 15.2
  Top Layer w0.305: v1(74.295,77.216) 74.96,76.551 U24.4@74.96,75.571 ; v1(79.248,79.121) 80.16,80.033 U24.17@80.16,82.821
  Bottom Layer w0.305: v1(74.295,77.216) 75.767,77.216 77.672,79.121 v1(79.248,79.121) 79.248,75.687 C59.1@79.288,75.647
NetC60_1: C60.1 R79.2 U23.8 Y1.1 | length 9.6
  Bottom Layer w0.305: U23.8@15.453,69.971 19.538,69.971 R79.2@19.558,69.991 22.555,69.991 Y1.1@22.606,69.94 C60.1@22.606,67.475
NetC61_2: C61.2 R81.2 U25.2 | length 71.7
  Top Layer w0.305: v1(65.024,2.032) 75.816,2.032 76.327,1.521 C61.2@76.327,0.675 ; U25.2@72.492,35.423 72.492,34.696 74.31,32.878 v1(74.31,30.099) ; R81.2@74.549,0.523 74.701,0.675 C61.2@76.327,0.675 ; C61.2@76.384,0.618 C61.2@76.327,0.675
  Bottom Layer w0.305: v1(65.024,2.032) 60.071,2.032 59.309,2.794 59.309,7.539 60.356,8.586 69.785,8.586 73.518,12.319 74.93,12.319 75.438,12.827 75.438,14.057 73.874,15.621 73.874,16.554 74.211,16.891 75.946,16.891 76.708,17.653 76.708,29.591 76.2,30.099 v1(74.31,30.099)
NetC62_2: C62.2 R35.1 R83.2 | length 3.6
  Bottom Layer w0.305: R83.2@-1.255,70.585 -1.255,68.941 C62.2@-1.103,68.789 -1.103,67.158 R35.1@-1.001,67.056
NetD1_1: D1.1 P3.1 | length 30.1
  Bottom Layer w0.508: D1.1@-0.254,18.632 0,18.378 0,6.731 6.477,0.254 v1(15.367,0.254)
  other v1: 15.367,-0.381 16.002,-0.381 16.002,0.254
NetD2_1: D2.1 P4.1 | length 25.9
  Top Layer w0.508: v1(26.782,3.81) v1(26.782,15.494)
  Bottom Layer w0.508: v1(26.782,3.81) 26.782,0.65 27.813,-0.381 v1(34.163,-0.381) ; v1(26.782,15.494) 26.782,18.431 D2.1@26.987,18.636
  other v1: 34.798,-0.381 34.163,0.254 34.798,0.254
NetD3_1: D3.1 P5.1 | length 39
  Bottom Layer w0.508: D3.1@2.921,18.636 2.921,5.08 4.191,3.81 23.996,3.81 24.765,3.041 v1(24.765,0.254)
  other v1: 24.765,-0.381 25.4,-0.381 25.4,0.254
NetD4_1: D4.1 P6.1 | length 30.5
  Bottom Layer w0.508: D4.1@29.845,18.636 31.127,17.354 31.127,5.83 31.877,5.08 42.799,5.08 43.561,4.318 v1(43.561,0.254)
  other v1: 43.561,-0.381 44.196,-0.381 44.196,0.254
NetD6_1: D6.1 P1.17 P1.18 P2.17 P2.18 | length 112.2
  Top Layer w0.508: v1(57.531,2.921) 79.248,2.921 83.439,-1.27 88.646,-1.27 89.535,-0.381 89.535,50.292 88.804,51.023 P2.18@86.112,51.023 P2.17@83.572,51.023 P1.18@81.032,51.023 78.75,51.023 P1.17@78.492,51.281
  Bottom Layer w0.508: D6.1@56.908,18.632 56.908,3.544 v1(57.531,2.921)
NetD10_2: D10.2 R28.1 U6.7 U7.2 U7.3 | length 4
  Bottom Layer w0.203: R28.1@51.879,52.032 U6.7@55.753,52.032
  Bottom Layer w0.305: R28.1@51.816,52.095 R28.1@51.879,52.032
NetD12_1: D12.1 R76.1 | length 1.9
  Bottom Layer w0.305: D12.1@30.226,72.491 R76.1@30.226,74.347
NetD12_2: D12.2 U24.23 | length 60.8
  Top Layer w0.305: v1(30.226,69.596) 30.226,77.089 32.639,79.502 v1(43.815,79.502) ; v1(44.958,82.423) 55.372,82.423 v1(55.88,81.915) ; v1(75.184,80.645) 76.26,81.721 U24.23@76.26,82.821
  Bottom Layer w0.305: v1(30.226,69.596) D12.2@30.226,70.991 ; v1(43.815,79.502) 44.45,79.502 44.958,80.01 v1(44.958,82.423) ; v1(55.88,81.915) 73.914,81.915 v1(75.184,80.645)
NetD13_1: D13.1 R77.1 | length 1.9
  Bottom Layer w0.305: D13.1@32.131,72.491 R77.1@32.131,74.347
NetD13_2: D13.2 U24.22 | length 53.4
  Top Layer w0.305: v1(36.83,70.993) 36.83,73.533 37.338,74.041 61.595,74.041 62.23,74.676 62.23,76.876 62.951,77.597 67.31,77.597 69.696,79.983 75.665,79.983 76.91,81.228 U24.22@76.91,82.821
  Bottom Layer w0.305: D13.2@32.131,70.991 36.828,70.991 v1(36.83,70.993)
NetD14_1: D14.1 R78.1 | length 2.3
  Bottom Layer w0.305: R78.1@6.096,50.433 6.108,50.421 D14.1@6.108,48.133
NetL1_2: L1.2 U2.3
NetL2_2: L2.2 U4.3
NetL3_2: L3.2 U5.3
NetL4_1: L4.1 U11.11
  other v1: 64.516,52.86 65.151,52.86 65.786,52.86 66.448,52.86 67.083,52.86
  other v2: 70.358,52.181 71.049,52.197
NetL4_2: L4.2 U11.9
  other v1: 64.516,50.49 65.151,50.49 65.786,50.49 66.421,50.49 67.056,50.49
  other v2: 70.358,51.181 71.049,51.181
NetP1_1: P1.1
NetP1_3: P1.3
NetP1_5: P1.5 P1.6 P1.7 P1.8 P2.5 P2.6 P2.7 P2.8 R65.2 TP9.1 U20.4 | length 117
  Top Layer w0.305: P2.6@86.112,66.263 P2.5@83.572,66.263 P1.6@81.032,66.263 P1.5@78.492,66.263 P1.7@78.492,63.723 P1.8@81.032,63.723 P2.7@83.572,63.723 P2.8@86.112,63.723 P2.8@86.143,63.754
  Top Layer w0.508: v1(9.905,6.731) 11.176,6.731 v1(51.181,46.736) ; v1(56.637,46.736) 65.781,55.88 74.223,55.88 76.2,57.857 76.2,62.865 77.775,64.44 P1.7@78.492,63.723
  Bottom Layer w0.305: U20.4@10.934,8.448 10.934,7.861 11.31,7.485 11.31,6.835 R65.2@11.414,6.731
  Bottom Layer w0.508: v1(9.905,6.731) R65.2@11.414,6.731 ; v1(51.181,46.736) v1(56.637,46.736)
NetP1_9: P1.9 P1.10 P1.11 P1.12 P2.9 P2.10 P2.11 P2.12 R60.2 TP8.1 U18.4 | length 110.6
  Top Layer w0.305: P2.12@86.112,58.643 P2.11@83.572,58.643 P1.12@81.032,58.643 P1.11@78.492,58.643 P1.9@78.492,61.183 P1.10@81.032,61.183 P2.9@83.572,61.183 P2.10@86.112,61.183
  Top Layer w0.508: v1(34.925,6.731) 34.925,9.906 38.902,13.883 45.252,13.883 48.387,17.018 59.944,17.018 60.452,17.526 60.452,43.561 61.341,44.45 73.152,44.45 76.439,47.737 76.439,56.93 P1.11@78.134,58.625
  Bottom Layer w0.305: U18.4@35.954,8.448 35.954,7.861 36.33,7.485 36.33,6.835 R60.2@36.434,6.731
  Bottom Layer w0.508: TP8.1@32.766,6.731 v1(34.925,6.731) R60.2@36.434,6.731
NetP1_41: P1.41 U23.27 | length 144.3
  Top Layer w0.305: v1(9.525,78.643) 9.525,77.47 10.033,76.962 19.955,76.962 29.21,67.707 29.21,63.638 29.856,62.992 52.578,62.992 53.594,61.976 v1(53.594,59.309) ; v1(49.911,47.625) 49.911,55.95 50.476,56.515 53.086,56.515 53.594,56.007 v1(53.594,55.372) ; v1(58.674,36.068) 58.674,44.196 59.715,45.237 v1(59.715,45.847) ; v1(61.214,36.068) 61.214,42.926 61.976,43.688 73.533,43.688 76.91,40.311 76.91,22.125 P1.41@78.492,20.543
  Bottom Layer w0.305: v1(9.525,78.643) 10.103,78.065 U23.27@10.103,76.921 ; v1(49.911,47.625) 59.055,47.625 59.715,46.965 v1(59.715,45.847) ; v1(53.594,55.372) v1(53.594,59.309) ; v1(58.674,36.068) v1(61.214,36.068)
NetP1_43: P1.43 U23.28 | length 144.3
  Top Layer w0.305: v1(10.903,78.613) 19.304,78.613 30.099,67.818 30.099,64.262 30.734,63.627 53.213,63.627 54.229,62.611 v1(54.229,60.198) ; v1(49.149,48.26) 49.149,56.403 49.841,57.095 53.556,57.095 54.229,56.422 v1(54.229,55.88) ; v1(59.563,35.052) 59.563,43.942 60.617,44.996 v1(60.617,46.355) ; v1(61.214,35.052) 61.214,13.558 62.072,12.7 76.2,12.7 76.962,13.462 76.962,16.473 P1.43@78.492,18.003
  Bottom Layer w0.305: U23.28@10.903,76.921 v1(10.903,78.613) ; v1(49.149,48.26) 60.056,48.26 60.617,47.699 v1(60.617,46.355) ; v1(54.229,55.88) v1(54.229,60.198) ; v1(59.563,35.052) v1(61.214,35.052)
NetP1_52: P1.52 R55.2 TP7.1 U16.4 | length 36.2
  Top Layer w0.508: v1(60.96,3.81) 61.595,4.445 v1(81.915,4.445)
  Bottom Layer w0.305: U16.4@63.189,5.654 63.189,5.01 63.635,4.564 63.635,3.914 R55.2@63.739,3.81 ; TP7.1@81.915,-1.905 v1(81.915,4.445)
  Bottom Layer w0.508: v1(60.96,3.81) R55.2@63.739,3.81 ; P1.52@81.032,7.843 81.032,6.426 81.915,5.543 v1(81.915,4.445)
NetP8_1: P8.1 U25.1 | length 27.2
  Top Layer w0.305: P8.1@63.193,36.205 63.193,26.469 63.627,26.035 68.905,26.035 69.723,26.853 69.723,35.052 70.094,35.423 U25.1@71.831,35.423
NetP10_1: P10.1 R70.2 U22.4 | length 37
  Top Layer w0.508: v1(36.83,-2.96) 38.569,-4.699 64.711,-4.699 65.542,-3.868 P10.1@65.542,0.18
  Bottom Layer w0.305: U22.4@37.724,-1.244 37.749,-1.269 37.749,-1.823 38.133,-2.207 38.133,-2.946 R70.2@38.147,-2.96
  Bottom Layer w0.508: v1(36.83,-2.96) R70.2@38.147,-2.96
NetP11_2: P11.2 R1.1 R26.1 R37.1 R48.1 U1.8 U6.1 U9.8 U12.8 U23.12 | length 186.6
  Top Layer w0.305: v1(15.382,48.006) 16.256,48.88 16.256,53.213 20.889,57.846 62.103,57.846 ; v1(42.48,68.825) 42.48,67.118 42.037,66.675 40.259,66.675 39.878,67.056 39.878,72.644 40.553,73.319 73.747,73.319 74.168,72.898 74.168,71.008 73.66,70.5 72.487,70.5 v1(71.501,71.486) 69.454,71.486 68.961,70.993 v1(68.961,60.706) ; v1(62.103,55.357) 62.103,57.846 ; P11.2@70.94,63.256 70.495,63.256 69.626,62.387 69.626,61.371 v1(68.961,60.706) ; 62.103,57.846 67.371,57.846 68.961,59.436 v1(68.961,60.706)
  Bottom Layer w0.203: U6.1@59.715,54.032 59.715,54.762 60.056,55.103 R26.1@62.103,55.103
  Bottom Layer w0.305: U23.12@11.703,68.621 11.703,66.275 12.573,65.405 18.471,65.405 18.923,64.953 18.923,64.008 18.395,63.48 11.315,63.48 10.795,62.96 10.795,49.403 11.303,48.895 14.493,48.895 v1(15.382,48.006) 16.637,48.006 17.156,47.487 U1.8@17.156,46.222 ; v1(42.48,68.825) 42.48,69.826 43.253,70.599 U12.8@46.296,70.599 ; U9.8@67.685,69.712 70.728,69.712 71.501,70.485 v1(71.501,71.486)